# KiCad board ShinyAddOn_panel_1.kicad_pcb
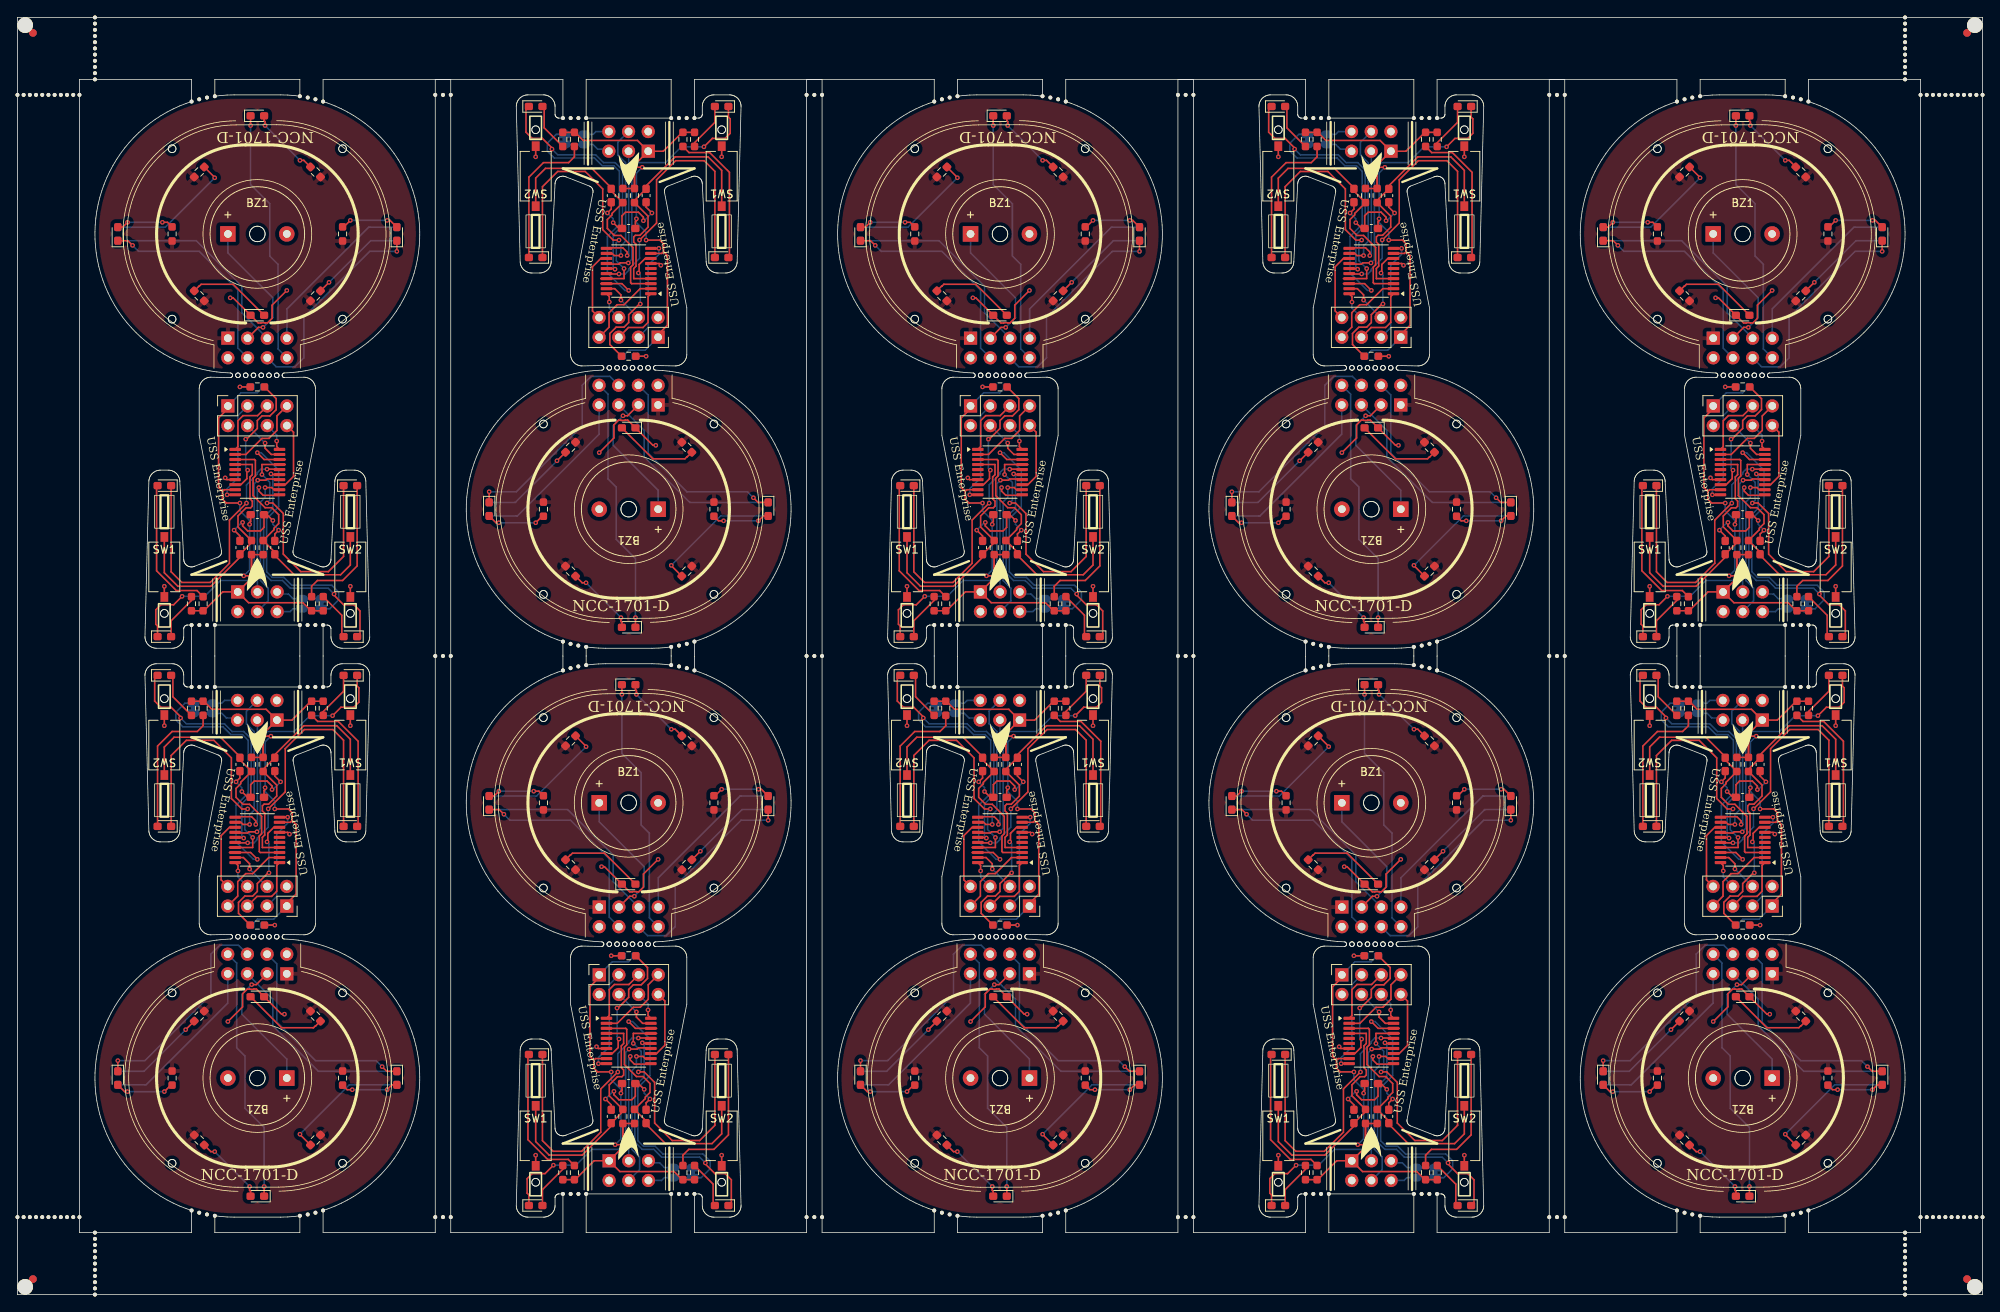
[diagram p0: board, top side]
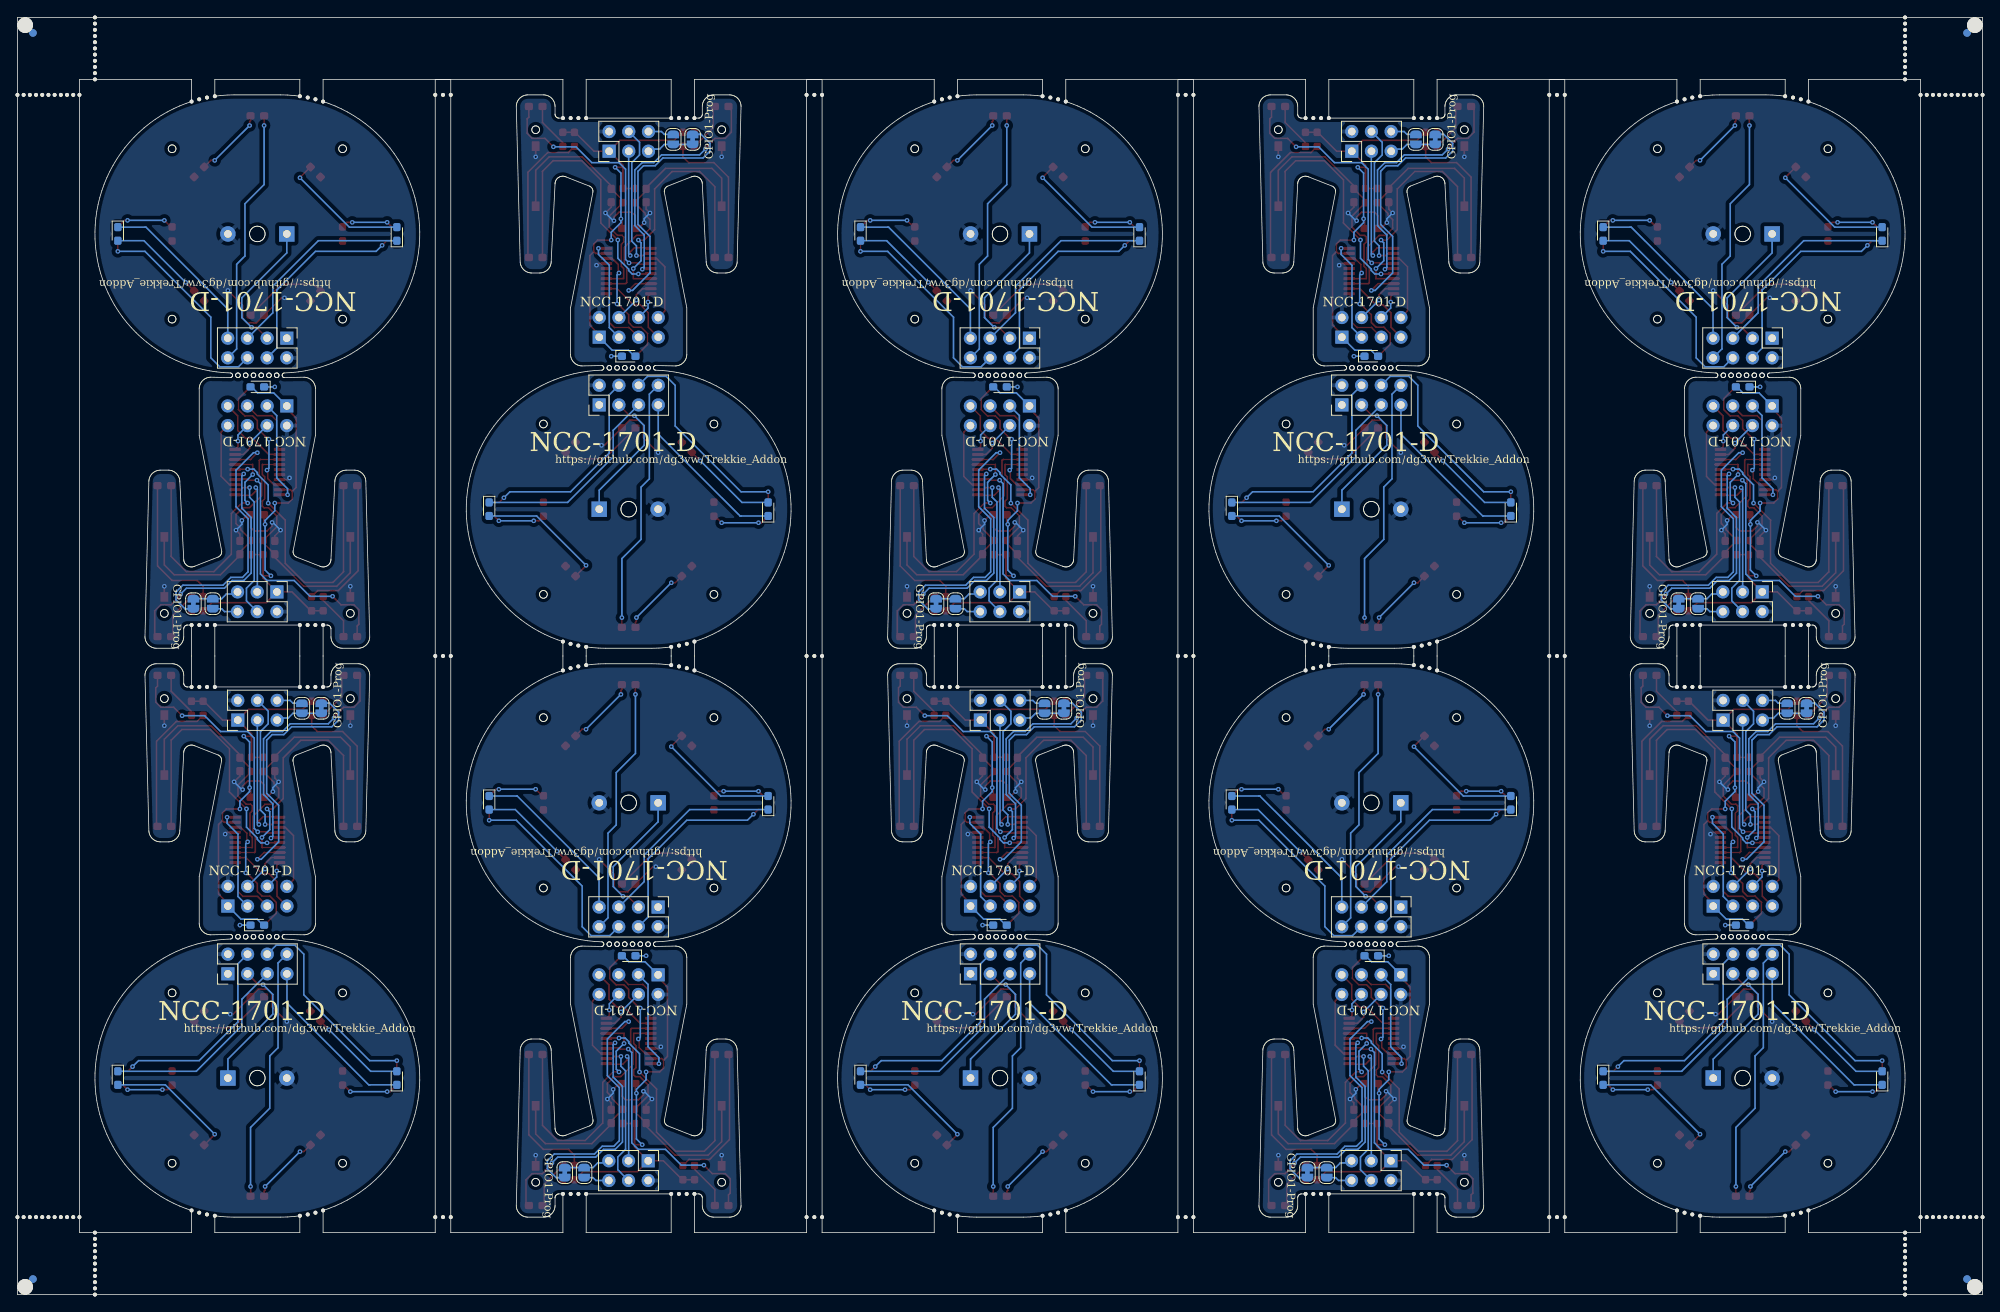
[diagram p1: board, bottom side, seen from below]

Outline 253.57 x 164.91 mm; copper layers: Top, Bottom. Coordinates in mm from the lower left corner of the outline.

## Placement (name value [footprint] x y rotation side)
BZ1  Buzzer  [Buzzer_12x9.5RM7.6]  34.76 27.96 180 top
BZ1#2  Buzzer  [Buzzer_12x9.5RM7.6]  170.9 63.5 0 top
BZ1#3  Buzzer  [Buzzer_12x9.5RM7.6]  75.07 63.5 0 top
BZ1#4  Buzzer  [Buzzer_12x9.5RM7.6]  178.5 101.41 180 top
BZ1#5  Buzzer  [Buzzer_12x9.5RM7.6]  218.81 136.96 0 top
BZ1#6  Buzzer  [Buzzer_12x9.5RM7.6]  122.98 136.96 0 top
BZ1#7  Buzzer  [Buzzer_12x9.5RM7.6]  130.58 27.96 180 top
BZ1#8  Buzzer  [Buzzer_12x9.5RM7.6]  82.67 101.41 180 top
BZ1#9  Buzzer  [Buzzer_12x9.5RM7.6]  27.16 136.96 0 top
BZ1#10  Buzzer  [Buzzer_12x9.5RM7.6]  226.41 27.96 180 top
C1  1nF  [C_0603_1608Metric_Pad1.08x0.95mm_HandSolder]  76.62 23 90 top
C1#2  1nF  [C_0603_1608Metric_Pad1.08x0.95mm_HandSolder]  124.53 96.46 90 top
C1#3  1nF  [C_0603_1608Metric_Pad1.08x0.95mm_HandSolder]  28.71 96.46 90 top
C1#4  1nF  [C_0603_1608Metric_Pad1.08x0.95mm_HandSolder]  172.45 23 90 top
C1#5  1nF  [C_0603_1608Metric_Pad1.08x0.95mm_HandSolder]  220.36 96.46 90 top
C1#6  1nF  [C_0603_1608Metric_Pad1.08x0.95mm_HandSolder]  224.86 68.46 270 top
C1#7  1nF  [C_0603_1608Metric_Pad1.08x0.95mm_HandSolder]  176.95 141.91 270 top
C1#8  1nF  [C_0603_1608Metric_Pad1.08x0.95mm_HandSolder]  129.03 68.46 270 top
C1#9  1nF  [C_0603_1608Metric_Pad1.08x0.95mm_HandSolder]  33.21 68.46 270 top
C1#10  1nF  [C_0603_1608Metric_Pad1.08x0.95mm_HandSolder]  81.12 141.91 270 top
C2  1nF  [C_0603_1608Metric_Pad1.08x0.95mm_HandSolder]  172.45 141.91 270 top
C2#2  1nF  [C_0603_1608Metric_Pad1.08x0.95mm_HandSolder]  129.03 96.46 90 top
C2#3  1nF  [C_0603_1608Metric_Pad1.08x0.95mm_HandSolder]  224.86 96.46 90 top
C2#4  1nF  [C_0603_1608Metric_Pad1.08x0.95mm_HandSolder]  28.71 68.46 270 top
C2#5  1nF  [C_0603_1608Metric_Pad1.08x0.95mm_HandSolder]  33.21 96.46 90 top
C2#6  1nF  [C_0603_1608Metric_Pad1.08x0.95mm_HandSolder]  124.53 68.46 270 top
C2#7  1nF  [C_0603_1608Metric_Pad1.08x0.95mm_HandSolder]  76.62 141.91 270 top
C2#8  1nF  [C_0603_1608Metric_Pad1.08x0.95mm_HandSolder]  220.36 68.46 270 top
C2#9  1nF  [C_0603_1608Metric_Pad1.08x0.95mm_HandSolder]  81.12 23 90 top
C2#10  1nF  [C_0603_1608Metric_Pad1.08x0.95mm_HandSolder]  176.95 23 90 top
C3  100nF  [C_0603_1608Metric_Pad1.08x0.95mm_HandSolder]  222.61 100.71 0 top
C3#2  100nF  [C_0603_1608Metric_Pad1.08x0.95mm_HandSolder]  174.7 137.66 180 top
C3#3  100nF  [C_0603_1608Metric_Pad1.08x0.95mm_HandSolder]  78.87 137.66 180 top
C3#4  100nF  [C_0603_1608Metric_Pad1.08x0.95mm_HandSolder]  174.7 27.25 0 top
C3#5  100nF  [C_0603_1608Metric_Pad1.08x0.95mm_HandSolder]  78.87 27.25 0 top
C3#6  100nF  [C_0603_1608Metric_Pad1.08x0.95mm_HandSolder]  30.96 64.21 180 top
C3#7  100nF  [C_0603_1608Metric_Pad1.08x0.95mm_HandSolder]  126.78 100.71 0 top
C3#8  100nF  [C_0603_1608Metric_Pad1.08x0.95mm_HandSolder]  126.78 64.21 180 top
C3#9  100nF  [C_0603_1608Metric_Pad1.08x0.95mm_HandSolder]  30.96 100.71 0 top
C3#10  100nF  [C_0603_1608Metric_Pad1.08x0.95mm_HandSolder]  222.61 64.21 180 top
D1  blue front powerled  [LED_0603_1608Metric_Pad1.05x0.95mm_HandSolder]  222.61 126.46 0 top
D1#2  blue front powerled  [LED_0603_1608Metric_Pad1.05x0.95mm_HandSolder]  78.87 111.91 180 top
D1#3  blue front powerled  [LED_0603_1608Metric_Pad1.05x0.95mm_HandSolder]  30.96 38.46 180 top
D1#4  blue front powerled  [LED_0603_1608Metric_Pad1.05x0.95mm_HandSolder]  174.7 111.91 180 top
D1#5  blue front powerled  [LED_0603_1608Metric_Pad1.05x0.95mm_HandSolder]  126.78 126.46 0 top
D1#6  blue front powerled  [LED_0603_1608Metric_Pad1.05x0.95mm_HandSolder]  174.7 53 0 top
D1#7  blue front powerled  [LED_0603_1608Metric_Pad1.05x0.95mm_HandSolder]  222.61 38.46 180 top
D1#8  blue front powerled  [LED_0603_1608Metric_Pad1.05x0.95mm_HandSolder]  30.96 126.46 0 top
D1#9  blue front powerled  [LED_0603_1608Metric_Pad1.05x0.95mm_HandSolder]  126.78 38.46 180 top
D1#10  blue front powerled  [LED_0603_1608Metric_Pad1.05x0.95mm_HandSolder]  78.87 53 0 top
D2  lower front LED  [LED_0603_1608Metric_Pad1.05x0.95mm_HandSolder]  222.61 117.21 0 bottom
D2#2  lower front LED  [LED_0603_1608Metric_Pad1.05x0.95mm_HandSolder]  126.78 47.71 180 bottom
D2#3  lower front LED  [LED_0603_1608Metric_Pad1.05x0.95mm_HandSolder]  174.7 121.16 180 bottom
D2#4  lower front LED  [LED_0603_1608Metric_Pad1.05x0.95mm_HandSolder]  30.96 117.21 0 bottom
D2#5  lower front LED  [LED_0603_1608Metric_Pad1.05x0.95mm_HandSolder]  174.7 43.75 0 bottom
D2#6  lower front LED  [LED_0603_1608Metric_Pad1.05x0.95mm_HandSolder]  78.87 121.16 180 bottom
D2#7  lower front LED  [LED_0603_1608Metric_Pad1.05x0.95mm_HandSolder]  30.96 47.71 180 bottom
D2#8  lower front LED  [LED_0603_1608Metric_Pad1.05x0.95mm_HandSolder]  78.87 43.75 0 bottom
D2#9  lower front LED  [LED_0603_1608Metric_Pad1.05x0.95mm_HandSolder]  126.78 117.21 0 bottom
D2#10  lower front LED  [LED_0603_1608Metric_Pad1.05x0.95mm_HandSolder]  222.61 47.71 180 bottom
D3  LED blue right  [LED_0603_1608Metric_Pad1.05x0.95mm_HandSolder]  42.96 84.96 180 top
D3#2  LED blue right  [LED_0603_1608Metric_Pad1.05x0.95mm_HandSolder]  138.78 84.96 180 top
D3#3  LED blue right  [LED_0603_1608Metric_Pad1.05x0.95mm_HandSolder]  234.61 84.96 180 top
D3#4  LED blue right  [LED_0603_1608Metric_Pad1.05x0.95mm_HandSolder]  90.87 11.5 180 top
D3#5  LED blue right  [LED_0603_1608Metric_Pad1.05x0.95mm_HandSolder]  186.7 11.5 180 top
D3#6  LED blue right  [LED_0603_1608Metric_Pad1.05x0.95mm_HandSolder]  18.96 79.96 0 top
D3#7  LED blue right  [LED_0603_1608Metric_Pad1.05x0.95mm_HandSolder]  162.7 153.41 0 top
D3#8  LED blue right  [LED_0603_1608Metric_Pad1.05x0.95mm_HandSolder]  114.78 79.96 0 top
D3#9  LED blue right  [LED_0603_1608Metric_Pad1.05x0.95mm_HandSolder]  210.61 79.96 0 top
D3#10  LED blue right  [LED_0603_1608Metric_Pad1.05x0.95mm_HandSolder]  66.87 153.41 0 top
D4  LED blue left  [LED_0603_1608Metric_Pad1.05x0.95mm_HandSolder]  210.61 84.96 0 top
D4#2  LED blue left  [LED_0603_1608Metric_Pad1.05x0.95mm_HandSolder]  66.87 11.5 0 top
D4#3  LED blue left  [LED_0603_1608Metric_Pad1.05x0.95mm_HandSolder]  162.7 11.5 0 top
D4#4  LED blue left  [LED_0603_1608Metric_Pad1.05x0.95mm_HandSolder]  42.96 79.96 180 top
D4#5  LED blue left  [LED_0603_1608Metric_Pad1.05x0.95mm_HandSolder]  138.78 79.96 180 top
D4#6  LED blue left  [LED_0603_1608Metric_Pad1.05x0.95mm_HandSolder]  186.7 153.41 180 top
D4#7  LED blue left  [LED_0603_1608Metric_Pad1.05x0.95mm_HandSolder]  18.96 84.96 0 top
D4#8  LED blue left  [LED_0603_1608Metric_Pad1.05x0.95mm_HandSolder]  90.87 153.41 180 top
D4#9  LED blue left  [LED_0603_1608Metric_Pad1.05x0.95mm_HandSolder]  234.61 79.96 180 top
D4#10  LED blue left  [LED_0603_1608Metric_Pad1.05x0.95mm_HandSolder]  114.78 84.96 0 top
D5  LED blue front  [LED_0603_1608Metric_Pad1.05x0.95mm_HandSolder]  126.78 152.21 0 top
D5#2  LED blue front  [LED_0603_1608Metric_Pad1.05x0.95mm_HandSolder]  174.7 78.75 0 top
D5#3  LED blue front  [LED_0603_1608Metric_Pad1.05x0.95mm_HandSolder]  174.7 86.16 180 top
D5#4  LED blue front  [LED_0603_1608Metric_Pad1.05x0.95mm_HandSolder]  30.96 12.71 180 top
D5#5  LED blue front  [LED_0603_1608Metric_Pad1.05x0.95mm_HandSolder]  222.61 12.71 180 top
D5#6  LED blue front  [LED_0603_1608Metric_Pad1.05x0.95mm_HandSolder]  78.87 86.16 180 top
D5#7  LED blue front  [LED_0603_1608Metric_Pad1.05x0.95mm_HandSolder]  78.87 78.75 0 top
D5#8  LED blue front  [LED_0603_1608Metric_Pad1.05x0.95mm_HandSolder]  222.61 152.21 0 top
D5#9  LED blue front  [LED_0603_1608Metric_Pad1.05x0.95mm_HandSolder]  126.78 12.71 180 top
D5#10  LED blue front  [LED_0603_1608Metric_Pad1.05x0.95mm_HandSolder]  30.96 152.21 0 top
D6  LED red left  [LED_0603_1608Metric_Pad1.05x0.95mm_HandSolder]  90.87 133.91 0 top
D6#2  LED red left  [LED_0603_1608Metric_Pad1.05x0.95mm_HandSolder]  210.61 104.46 180 top
D6#3  LED red left  [LED_0603_1608Metric_Pad1.05x0.95mm_HandSolder]  162.7 31 180 top
D6#4  LED red left  [LED_0603_1608Metric_Pad1.05x0.95mm_HandSolder]  138.78 60.46 0 top
D6#5  LED red left  [LED_0603_1608Metric_Pad1.05x0.95mm_HandSolder]  234.61 60.46 0 top
D6#6  LED red left  [LED_0603_1608Metric_Pad1.05x0.95mm_HandSolder]  186.7 133.91 0 top
D6#7  LED red left  [LED_0603_1608Metric_Pad1.05x0.95mm_HandSolder]  66.87 31 180 top
D6#8  LED red left  [LED_0603_1608Metric_Pad1.05x0.95mm_HandSolder]  114.78 104.46 180 top
D6#9  LED red left  [LED_0603_1608Metric_Pad1.05x0.95mm_HandSolder]  18.96 104.46 180 top
D6#10  LED red left  [LED_0603_1608Metric_Pad1.05x0.95mm_HandSolder]  42.96 60.46 0 top
D7  LED red right  [LED_0603_1608Metric_Pad1.05x0.95mm_HandSolder]  66.87 133.91 180 top
D7#2  LED red right  [LED_0603_1608Metric_Pad1.05x0.95mm_HandSolder]  114.78 60.46 180 top
D7#3  LED red right  [LED_0603_1608Metric_Pad1.05x0.95mm_HandSolder]  42.96 104.46 0 top
D7#4  LED red right  [LED_0603_1608Metric_Pad1.05x0.95mm_HandSolder]  138.78 104.46 0 top
D7#5  LED red right  [LED_0603_1608Metric_Pad1.05x0.95mm_HandSolder]  234.61 104.46 0 top
D7#6  LED red right  [LED_0603_1608Metric_Pad1.05x0.95mm_HandSolder]  18.96 60.46 180 top
D7#7  LED red right  [LED_0603_1608Metric_Pad1.05x0.95mm_HandSolder]  210.61 60.46 180 top
D7#8  LED red right  [LED_0603_1608Metric_Pad1.05x0.95mm_HandSolder]  186.7 31 0 top
D7#9  LED red right  [LED_0603_1608Metric_Pad1.05x0.95mm_HandSolder]  90.87 31 0 top
D7#10  LED red right  [LED_0603_1608Metric_Pad1.05x0.95mm_HandSolder]  162.7 133.91 180 top
D8  LED dish top left  [LED_0603_1608Metric_Pad1.05x0.95mm_HandSolder]  240.61 27.96 270 top
D8#2  LED dish top left  [LED_0603_1608Metric_Pad1.05x0.95mm_HandSolder]  96.87 101.41 270 top
D8#3  LED dish top left  [LED_0603_1608Metric_Pad1.05x0.95mm_HandSolder]  108.78 136.96 90 top
D8#4  LED dish top left  [LED_0603_1608Metric_Pad1.05x0.95mm_HandSolder]  60.87 63.5 90 top
D8#5  LED dish top left  [LED_0603_1608Metric_Pad1.05x0.95mm_HandSolder]  12.96 136.96 90 top
D8#6  LED dish top left  [LED_0603_1608Metric_Pad1.05x0.95mm_HandSolder]  192.7 101.41 270 top
D8#7  LED dish top left  [LED_0603_1608Metric_Pad1.05x0.95mm_HandSolder]  48.96 27.96 270 top
D8#8  LED dish top left  [LED_0603_1608Metric_Pad1.05x0.95mm_HandSolder]  204.61 136.96 90 top
D8#9  LED dish top left  [LED_0603_1608Metric_Pad1.05x0.95mm_HandSolder]  144.78 27.96 270 top
D8#10  LED dish top left  [LED_0603_1608Metric_Pad1.05x0.95mm_HandSolder]  156.7 63.5 90 top
D9  LED dish top right  [LED_0603_1608Metric_Pad1.05x0.95mm_HandSolder]  156.7 101.41 270 top
D9#2  LED dish top right  [LED_0603_1608Metric_Pad1.05x0.95mm_HandSolder]  192.7 63.5 90 top
D9#3  LED dish top right  [LED_0603_1608Metric_Pad1.05x0.95mm_HandSolder]  60.87 101.41 270 top
D9#4  LED dish top right  [LED_0603_1608Metric_Pad1.05x0.95mm_HandSolder]  12.96 27.96 270 top
D9#5  LED dish top right  [LED_0603_1608Metric_Pad1.05x0.95mm_HandSolder]  108.78 27.96 270 top
D9#6  LED dish top right  [LED_0603_1608Metric_Pad1.05x0.95mm_HandSolder]  144.78 136.96 90 top
D9#7  LED dish top right  [LED_0603_1608Metric_Pad1.05x0.95mm_HandSolder]  48.96 136.96 90 top
D9#8  LED dish top right  [LED_0603_1608Metric_Pad1.05x0.95mm_HandSolder]  204.61 27.96 270 top
D9#9  LED dish top right  [LED_0603_1608Metric_Pad1.05x0.95mm_HandSolder]  240.61 136.96 90 top
D9#10  LED dish top right  [LED_0603_1608Metric_Pad1.05x0.95mm_HandSolder]  96.87 63.5 90 top
D10  LED dish bottom left  [LED_0603_1608Metric_Pad1.05x0.95mm_HandSolder]  96.87 101.41 270 bottom
D10#2  LED dish bottom left  [LED_0603_1608Metric_Pad1.05x0.95mm_HandSolder]  12.96 136.96 90 bottom
D10#3  LED dish bottom left  [LED_0603_1608Metric_Pad1.05x0.95mm_HandSolder]  240.61 27.96 270 bottom
D10#4  LED dish bottom left  [LED_0603_1608Metric_Pad1.05x0.95mm_HandSolder]  204.61 136.96 90 bottom
D10#5  LED dish bottom left  [LED_0603_1608Metric_Pad1.05x0.95mm_HandSolder]  144.78 27.96 270 bottom
D10#6  LED dish bottom left  [LED_0603_1608Metric_Pad1.05x0.95mm_HandSolder]  48.96 27.96 270 bottom
D10#7  LED dish bottom left  [LED_0603_1608Metric_Pad1.05x0.95mm_HandSolder]  156.7 63.5 90 bottom
D10#8  LED dish bottom left  [LED_0603_1608Metric_Pad1.05x0.95mm_HandSolder]  60.87 63.5 90 bottom
D10#9  LED dish bottom left  [LED_0603_1608Metric_Pad1.05x0.95mm_HandSolder]  108.78 136.96 90 bottom
D10#10  LED dish bottom left  [LED_0603_1608Metric_Pad1.05x0.95mm_HandSolder]  192.7 101.41 270 bottom
D11  LED dish bottom right  [LED_0603_1608Metric_Pad1.05x0.95mm_HandSolder]  156.7 101.41 90 bottom
D11#2  LED dish bottom right  [LED_0603_1608Metric_Pad1.05x0.95mm_HandSolder]  204.61 27.96 90 bottom
D11#3  LED dish bottom right  [LED_0603_1608Metric_Pad1.05x0.95mm_HandSolder]  108.78 27.96 90 bottom
D11#4  LED dish bottom right  [LED_0603_1608Metric_Pad1.05x0.95mm_HandSolder]  12.96 27.96 90 bottom
D11#5  LED dish bottom right  [LED_0603_1608Metric_Pad1.05x0.95mm_HandSolder]  240.61 136.96 270 bottom
D11#6  LED dish bottom right  [LED_0603_1608Metric_Pad1.05x0.95mm_HandSolder]  60.87 101.41 90 bottom
D11#7  LED dish bottom right  [LED_0603_1608Metric_Pad1.05x0.95mm_HandSolder]  192.7 63.5 270 bottom
D11#8  LED dish bottom right  [LED_0603_1608Metric_Pad1.05x0.95mm_HandSolder]  144.78 136.96 270 bottom
D11#9  LED dish bottom right  [LED_0603_1608Metric_Pad1.05x0.95mm_HandSolder]  96.87 63.5 270 bottom
D11#10  LED dish bottom right  [LED_0603_1608Metric_Pad1.05x0.95mm_HandSolder]  48.96 136.96 270 bottom
J1  Conn_02x04_Odd_Even  [PinHeader_2x04_P2.54mm_Vertical]  226.41 41.42 90 bottom
J1#2  Conn_02x04_Odd_Even  [PinHeader_2x04_P2.54mm_Vertical]  34.76 41.42 90 bottom
J1#3  Conn_02x04_Odd_Even  [PinHeader_2x04_P2.54mm_Vertical]  82.67 114.87 90 bottom
J1#4  Conn_02x04_Odd_Even  [PinHeader_2x04_P2.54mm_Vertical]  218.81 123.5 270 bottom
J1#5  Conn_02x04_Odd_Even  [PinHeader_2x04_P2.54mm_Vertical]  27.16 123.5 270 bottom
J1#6  Conn_02x04_Odd_Even  [PinHeader_2x04_P2.54mm_Vertical]  170.9 50.04 270 bottom
J1#7  Conn_02x04_Odd_Even  [PinHeader_2x04_P2.54mm_Vertical]  178.5 114.87 90 bottom
J1#8  Conn_02x04_Odd_Even  [PinHeader_2x04_P2.54mm_Vertical]  122.98 123.5 270 bottom
J1#9  Conn_02x04_Odd_Even  [PinHeader_2x04_P2.54mm_Vertical]  130.58 41.42 90 bottom
J1#10  Conn_02x04_Odd_Even  [PinHeader_2x04_P2.54mm_Vertical]  75.07 50.04 270 bottom
J3  GPIO  [SolderJumper-2_P1.3mm_Open_RoundedPad1.0x1.5mm]  132.53 89.21 90 bottom
J3#2  GPIO  [SolderJumper-2_P1.3mm_Open_RoundedPad1.0x1.5mm]  216.86 75.71 270 bottom
J3#3  GPIO  [SolderJumper-2_P1.3mm_Open_RoundedPad1.0x1.5mm]  36.71 89.21 90 bottom
J3#4  GPIO  [SolderJumper-2_P1.3mm_Open_RoundedPad1.0x1.5mm]  121.03 75.71 270 bottom
J3#5  GPIO  [SolderJumper-2_P1.3mm_Open_RoundedPad1.0x1.5mm]  168.95 149.16 270 bottom
J3#6  GPIO  [SolderJumper-2_P1.3mm_Open_RoundedPad1.0x1.5mm]  25.21 75.71 270 bottom
J3#7  GPIO  [SolderJumper-2_P1.3mm_Open_RoundedPad1.0x1.5mm]  73.12 149.16 270 bottom
J3#8  GPIO  [SolderJumper-2_P1.3mm_Open_RoundedPad1.0x1.5mm]  180.45 15.75 90 bottom
J3#9  GPIO  [SolderJumper-2_P1.3mm_Open_RoundedPad1.0x1.5mm]  228.36 89.21 90 bottom
J3#10  GPIO  [SolderJumper-2_P1.3mm_Open_RoundedPad1.0x1.5mm]  84.62 15.75 90 bottom
J4  saucer connetion  [PinSocket_2x04_P2.54mm_Vertical]  122.98 114.75 90 top
J4#2  saucer connetion  [PinSocket_2x04_P2.54mm_Vertical]  27.16 114.75 90 top
J4#3  saucer connetion  [PinSocket_2x04_P2.54mm_Vertical]  170.9 41.29 90 top
J4#4  saucer connetion  [PinSocket_2x04_P2.54mm_Vertical]  218.81 114.75 90 top
J4#5  saucer connetion  [PinSocket_2x04_P2.54mm_Vertical]  82.67 123.62 270 top
J4#6  saucer connetion  [PinSocket_2x04_P2.54mm_Vertical]  178.5 123.62 270 top
J4#7  saucer connetion  [PinSocket_2x04_P2.54mm_Vertical]  34.76 50.17 270 top
J4#8  saucer connetion  [PinSocket_2x04_P2.54mm_Vertical]  226.41 50.17 270 top
J4#9  saucer connetion  [PinSocket_2x04_P2.54mm_Vertical]  75.07 41.29 90 top
J4#10  saucer connetion  [PinSocket_2x04_P2.54mm_Vertical]  130.58 50.17 270 top
J5  SAO Connector  [PinHeader_2x03_P2.54mm_Vertical]  76.34 17.28 270 bottom
J5#2  SAO Connector  [PinHeader_2x03_P2.54mm_Vertical]  81.39 147.64 90 bottom
J5#3  SAO Connector  [PinHeader_2x03_P2.54mm_Vertical]  28.43 90.73 270 bottom
J5#4  SAO Connector  [PinHeader_2x03_P2.54mm_Vertical]  129.31 74.18 90 bottom
J5#5  SAO Connector  [PinHeader_2x03_P2.54mm_Vertical]  177.22 147.64 90 bottom
J5#6  SAO Connector  [PinHeader_2x03_P2.54mm_Vertical]  220.09 90.73 270 bottom
J5#7  SAO Connector  [PinHeader_2x03_P2.54mm_Vertical]  225.14 74.18 90 bottom
J5#8  SAO Connector  [PinHeader_2x03_P2.54mm_Vertical]  124.26 90.73 270 bottom
J5#9  SAO Connector  [PinHeader_2x03_P2.54mm_Vertical]  33.48 74.18 90 bottom
J5#10  SAO Connector  [PinHeader_2x03_P2.54mm_Vertical]  172.17 17.28 270 bottom
JP1  Jumper_2_Bridged  [SolderJumper-2_P1.3mm_Bridged_RoundedPad1.0x1.5mm]  166.45 149.16 90 bottom
JP1#2  Jumper_2_Bridged  [SolderJumper-2_P1.3mm_Bridged_RoundedPad1.0x1.5mm]  70.62 149.16 90 bottom
JP1#3  Jumper_2_Bridged  [SolderJumper-2_P1.3mm_Bridged_RoundedPad1.0x1.5mm]  87.12 15.75 270 bottom
JP1#4  Jumper_2_Bridged  [SolderJumper-2_P1.3mm_Bridged_RoundedPad1.0x1.5mm]  214.36 75.71 90 bottom
JP1#5  Jumper_2_Bridged  [SolderJumper-2_P1.3mm_Bridged_RoundedPad1.0x1.5mm]  230.86 89.21 270 bottom
JP1#6  Jumper_2_Bridged  [SolderJumper-2_P1.3mm_Bridged_RoundedPad1.0x1.5mm]  39.21 89.21 270 bottom
JP1#7  Jumper_2_Bridged  [SolderJumper-2_P1.3mm_Bridged_RoundedPad1.0x1.5mm]  118.53 75.71 90 bottom
JP1#8  Jumper_2_Bridged  [SolderJumper-2_P1.3mm_Bridged_RoundedPad1.0x1.5mm]  22.71 75.71 90 bottom
JP1#9  Jumper_2_Bridged  [SolderJumper-2_P1.3mm_Bridged_RoundedPad1.0x1.5mm]  135.03 89.21 270 bottom
JP1#10  Jumper_2_Bridged  [SolderJumper-2_P1.3mm_Bridged_RoundedPad1.0x1.5mm]  182.95 15.75 270 bottom
KiKit_FID_B_1  -  [Fiducial]  2 162.91 0 bottom
KiKit_FID_B_2  -  [Fiducial]  251.57 162.91 0 bottom
KiKit_FID_B_3  -  [Fiducial]  2 2 0 bottom
KiKit_FID_B_4  -  [Fiducial]  251.57 2 0 bottom
KiKit_FID_T_1  -  [Fiducial]  2 162.91 0 top
KiKit_FID_T_2  -  [Fiducial]  251.57 162.91 0 top
KiKit_FID_T_3  -  [Fiducial]  2 2 0 top
KiKit_FID_T_4  -  [Fiducial]  251.57 2 0 top
KiKit_MB_1_1  -  [NPTH]  22.47 154.05 0 top
KiKit_MB_1_2  -  [NPTH]  23.46 154.34 0 top
KiKit_MB_1_3  -  [NPTH]  24.46 154.57 0 top
KiKit_MB_1_4  -  [NPTH]  25.47 154.74 0 top
KiKit_MB_2_1  -  [NPTH]  36.44 154.74 0 top
KiKit_MB_2_2  -  [NPTH]  37.45 154.57 0 top
KiKit_MB_2_3  -  [NPTH]  38.45 154.34 0 top
KiKit_MB_2_4  -  [NPTH]  39.44 154.05 0 top
KiKit_MB_3_1  -  [NPTH]  25.47 86.46 0 top
KiKit_MB_3_2  -  [NPTH]  24.47 86.46 0 top
KiKit_MB_3_3  -  [NPTH]  23.47 86.46 0 top
KiKit_MB_3_4  -  [NPTH]  22.47 86.46 0 top
KiKit_MB_4_1  -  [NPTH]  39.44 86.46 0 top
KiKit_MB_4_2  -  [NPTH]  38.44 86.46 0 top
KiKit_MB_4_3  -  [NPTH]  37.44 86.46 0 top
KiKit_MB_4_4  -  [NPTH]  36.44 86.46 0 top
KiKit_MB_5_1  -  [NPTH]  70.38 151.91 0 top
KiKit_MB_5_2  -  [NPTH]  71.38 151.91 0 top
KiKit_MB_5_3  -  [NPTH]  72.38 151.91 0 top
KiKit_MB_5_4  -  [NPTH]  73.38 151.91 0 top
KiKit_MB_6_1  -  [NPTH]  84.35 151.91 0 top
KiKit_MB_6_2  -  [NPTH]  85.35 151.91 0 top
KiKit_MB_6_3  -  [NPTH]  86.35 151.91 0 top
KiKit_MB_6_4  -  [NPTH]  87.35 151.91 0 top
KiKit_MB_7_1  -  [NPTH]  73.38 83.63 0 top
KiKit_MB_7_2  -  [NPTH]  72.37 83.8 0 top
KiKit_MB_7_3  -  [NPTH]  71.37 84.03 0 top
KiKit_MB_7_4  -  [NPTH]  70.38 84.32 0 top
KiKit_MB_8_1  -  [NPTH]  87.35 84.32 0 top
KiKit_MB_8_2  -  [NPTH]  86.37 84.03 0 top
KiKit_MB_8_3  -  [NPTH]  85.37 83.8 0 top
KiKit_MB_8_4  -  [NPTH]  84.35 83.63 0 top
KiKit_MB_9_1  -  [NPTH]  118.3 154.05 0 top
KiKit_MB_9_2  -  [NPTH]  119.28 154.34 0 top
KiKit_MB_9_3  -  [NPTH]  120.29 154.57 0 top
KiKit_MB_9_4  -  [NPTH]  121.3 154.74 0 top
KiKit_MB_10_1  -  [NPTH]  132.27 154.74 0 top
KiKit_MB_10_2  -  [NPTH]  133.28 154.57 0 top
KiKit_MB_10_3  -  [NPTH]  134.28 154.34 0 top
KiKit_MB_10_4  -  [NPTH]  135.27 154.05 0 top
KiKit_MB_11_1  -  [NPTH]  121.3 86.46 0 top
KiKit_MB_11_2  -  [NPTH]  120.3 86.46 0 top